# Altium PCB 400389.PcbDoc (part 7 of 8)
Units mm, origin at the board's own origin, x right, y up, seen from the top; angles counter-clockwise.
Board outline 155 x 63.5 mm, 4 copper layers (Top Layer, Mid-Layer 1, Mid-Layer 2, Bottom Layer), stack 1.54 mm thick; 437 components, 325 nets, 2173 pads, 2226 vias.
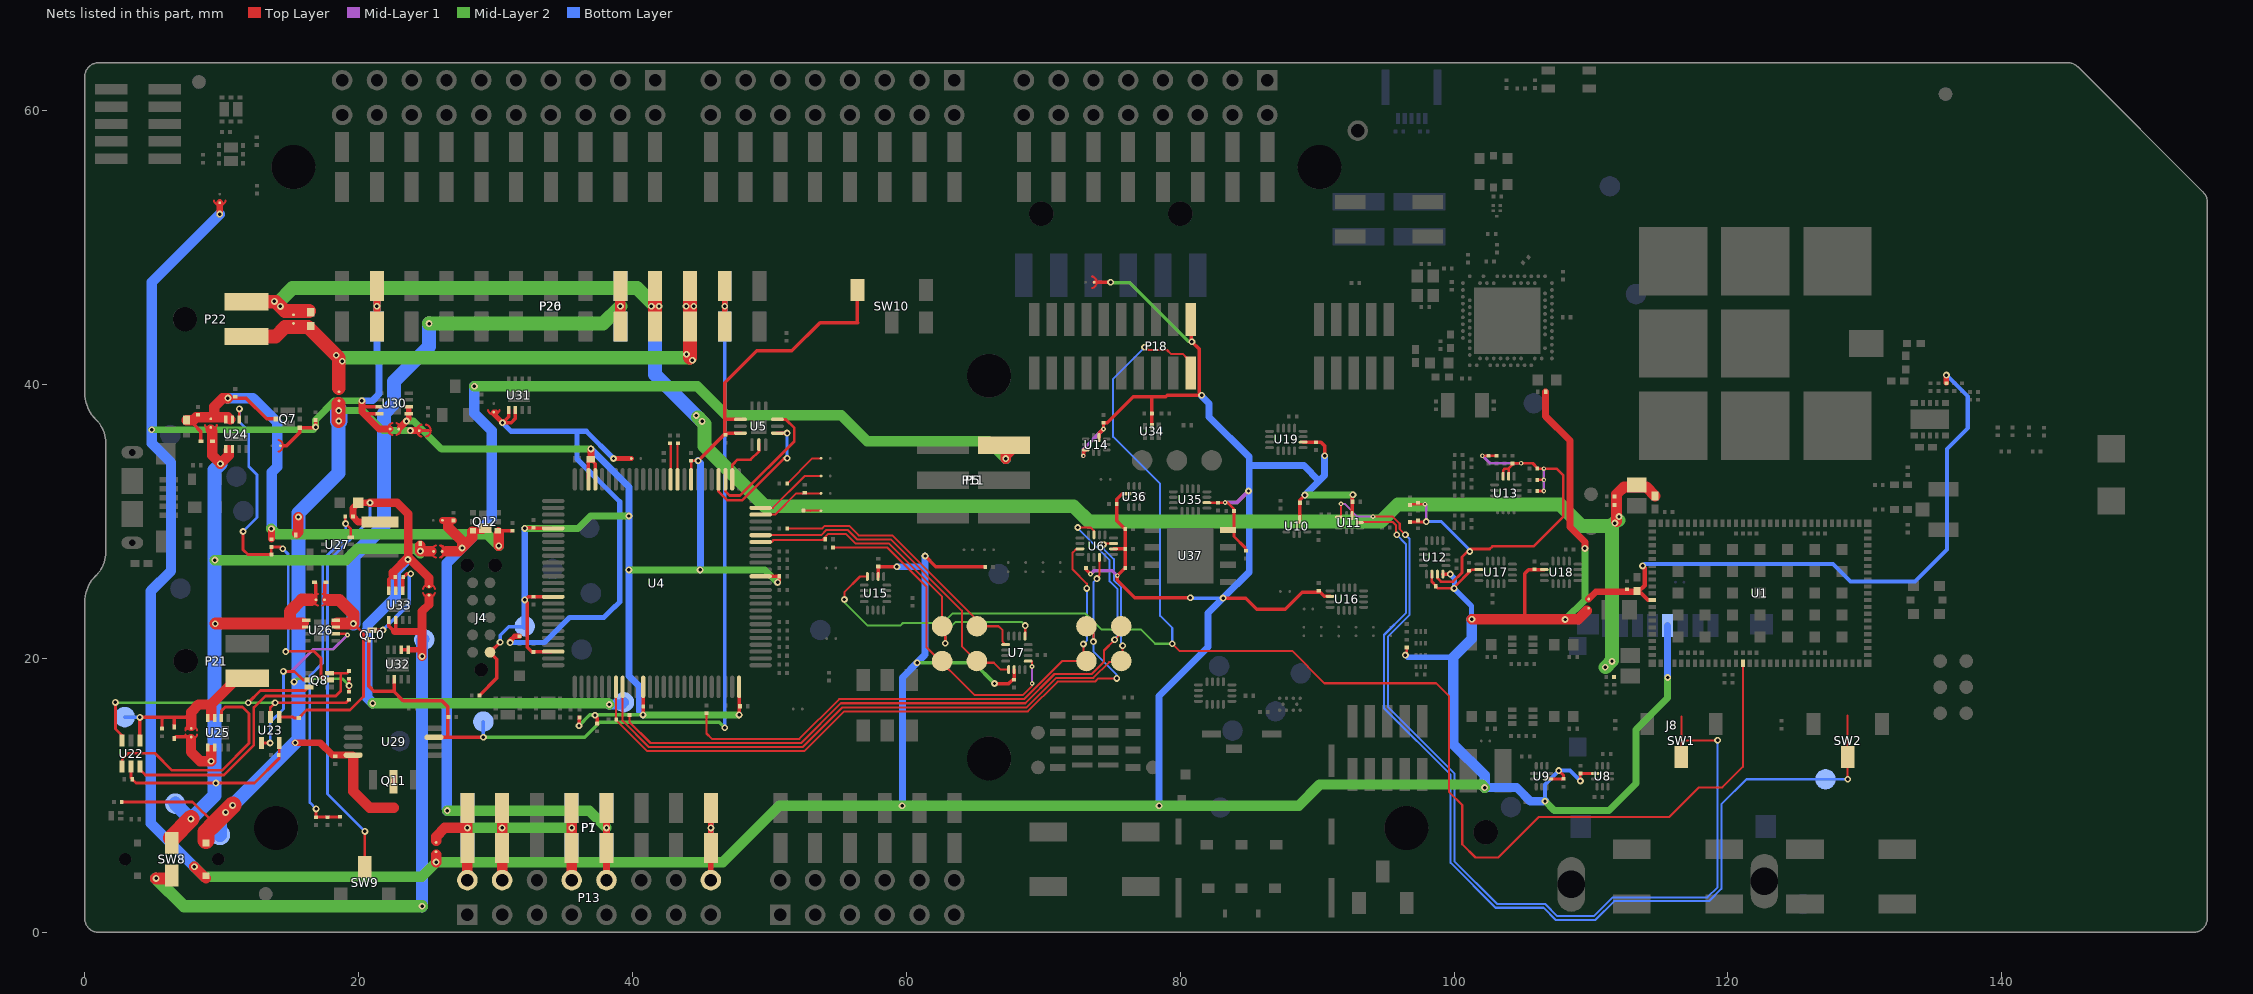
[diagram p9: the nets of this part, all layers, seen from the top]

## Via types
v1: diameter 0.5, hole 0.25, Top Layer to Bottom Layer, tented both sides, 1778 vias
v2: diameter 0.35, hole 0.15, Top Layer to Mid-Layer 1, tented both sides, 369 vias
v3: diameter 0.35, hole 0.15, Top Layer to Mid-Layer 1, tented top, 49 vias
v4: diameter 0.61, hole 0.305, Top Layer to Bottom Layer, tented both sides, 29 vias
v5: diameter 0.5, hole 0.25, Top Layer to Mid-Layer 1, tented both sides, 1 vias

## Nets (pads, with @x,y where several pads share a name; then routed paths per layer and width w, separated by ;. In a path a pad name is that pad's centre, name@x,y a point inside that pad or via, vN(x,y) a via of type N, cw(c..) or ccw(c..) an arc to the next point about the centre after c; other vN are vias at no path point) (continued)
SWDIO: P18.2 U1.34 U15.16 | length 122
  Top Layer w0.15: v1(55.474,24.308) 55.474,24.841 56.614,25.982 U15.16@57.146,25.982 ; v1(77.395,42.723) 77.46,42.723 77.658,42.525 79.036,42.525 79.311,42.25 80.178,42.25 80.453,41.975 80.467,41.975 80.772,41.67 P18.2@80.772,40.85 ; v1(79.418,21.074) 79.941,20.552 88.168,20.552 90.531,18.19 98.694,18.19 99.618,17.265 99.618,10.277 100.594,9.3 100.594,6.43 101.56,5.464 103.213,5.464 106.172,8.423 115.724,8.423 117.887,10.585 119.59,10.585 121.09,12.086 U1.34@121.09,19.644
  Mid-Layer 2 w0.15: v1(55.474,24.308) 55.474,24.093 57.152,22.415 59.579,22.415 59.754,22.59 62.679,22.59 63.362,23.273 73.084,23.273 74.256,22.101 77.145,22.101 78.171,21.074 v1(79.418,21.074)
  Bottom Layer w0.15: v1(77.395,42.723) 75.095,40.422 75.095,36.191 78.533,32.752 78.533,23.118 79.418,22.233 v1(79.418,21.074)
SWITCH1: SW1.2 U11.3 | length 71.7
  Top Layer w0.15: U11.3@91.585,30.321 91.745,30.481 v2(91.745,31.293) ; v2(94.082,30.353) 95.531,30.353 96.033,29.851 96.033,29.444 v1(96.444,29.032) v1(96.444,29.032) ; SW1.2@116.6,12.8 116.6,14.021 ; 116.6,15.761 116.6,14.021 ; v1(119.24,14.021) 116.6,14.021
  Mid-Layer 1 w0.15: v2(91.745,31.293) 91.751,31.286 92.004,31.286 92.93,30.36 94.074,30.36 v2(94.082,30.353)
  Bottom Layer w0.15: v1(96.444,29.032) 96.754,28.722 96.754,23.194 95.157,21.597 95.157,16.474 100.023,11.608 100.023,5.183 103.137,2.07 106.647,2.07 107.542,1.175 110.2,1.175 111.575,2.55 118.501,2.55 119.24,3.289 v1(119.24,14.021)
SWITCH2: SW2.2 TP29.1 U11.9 | length 73.6
  Top Layer w0.15: U11.9@93.123,29.921 93.313,29.921 93.357,29.966 95.529,29.966 95.758,29.737 95.758,29.083 v1(95.809,29.032) ; v1(128.746,11.176) SW2.2@128.746,12.8 128.746,15.831
  Bottom Layer w0.15: v1(95.809,29.032) 95.809,29.031 96.479,28.36 96.479,23.308 94.882,21.711 94.882,16.36 99.748,11.494 99.748,5.07 103.023,1.795 106.533,1.795 107.428,0.9 110.314,0.9 111.689,2.275 118.615,2.275 119.515,3.175 119.515,9.34 121.352,11.177 TP29.1@127.127,11.177 v1(128.746,11.176) v1(128.746,11.176)
SWO: U4.2 U5.8 | length 3.8
  Top Layer w0.203: U4.2@47.283,33.201 47.283,34.123 47.676,34.516 48.625,34.516 49.228,35.119 U5.8@49.228,35.658
SWOSel0: U4.3 U5.12 | length 10.3
  Top Layer w0.203: U4.3@46.783,33.201 U4.3@46.783,33.076 46.783,32.202 47.083,31.902 47.86,31.902 51.816,35.859 51.816,36.831 51.189,37.458 U5.12@50.528,37.458
SWOSel1: U4.4 U5.10 | length 10.2
  Top Layer w0.203: U4.4@46.283,33.201 U4.4@46.283,33.076 46.283,32.203 46.937,31.549 48.006,31.549 51.073,34.616 v1(51.29,34.616)
  Top Layer w0.254: U5.10@50.528,36.458 v1(51.29,36.458)
  Mid-Layer 2 w0.203: v1(51.29,36.458) v1@51.308,36.44
  Bottom Layer w0.203: v1(51.29,34.616) 51.29,36.422 v1@51.308,36.44
USB0_N: R23.2 U4.11 | length 2.7
  Top Layer w0.165: R23.2@42.732,35.71 42.783,35.659 U4.11@42.783,33.076
USB0_P: R22.2 U4.10 | length 2.7
  Top Layer w0.165: U4.10@43.283,33.076 43.283,35.659 R22.2@43.334,35.71
V5V: P1.5 P5.2 P7.5 P11.2 P13.10 Q12.3 R105.2 SB39.1 SB40.2 | length 105.4
  Top Layer w0.15: 26.061,27.383 26.349,27.694 26.388,27.736 26.394,27.799 26.394,27.814 ; 26.061,28.245 26.135,28.218 26.344,27.893 26.395,27.814
  Top Layer w0.508: SB39.1@26.119,30.084 26.936,30.084 R105.2@26.939,30.08 ; Q12.3@28.303,29.334 Q12.3@28.343,29.334 29.073,29.334 Q12.3@29.248,29.509 ; P13.10@38.1,3.811 P1.5@38.1,6.156 P1.5@38.1,9.086
  Top Layer w0.762: 26.394,27.814 26.395,27.814 27.305,27.814 v1(27.559,28.068) ; 26.543,29.947 26.543,29.591 27.559,28.575 v1(27.559,28.068) ; Q12.3@28.303,29.248 28.303,28.812 v1(27.559,28.068) ; P5.2@67.12,35.561 68.009,35.561 67.259,34.812 v1(67.259,34.595)
  Mid-Layer 2 w0.762: v1(26.467,8.89) 36.829,8.89 36.83,8.891 v1(38.1,7.621) ; v1(28.448,39.879) 44.729,39.879 46.839,37.77 55.24,37.77 57.145,35.865 65.989,35.865 v1(67.259,34.595)
  Bottom Layer w0.508: P7.5@38.1,6.156 P7.5@38.1,9.086
  Bottom Layer w0.762: v1(26.467,8.89) 26.467,9.018 26.441,9.043 26.441,26.95 v1(27.559,28.068) 29.718,30.227 29.718,36.627 28.448,37.897 v1(28.448,39.879) ; v1(67.259,34.595) 67.259,35.077 P11.2@67.615,35.433
VBAT_EN: U22.4 U25.6 | length 16.3
  Top Layer w0.203: U22.4@2.728,12.107 2.728,12.611 3.199,13.082 5.105,13.082 6.357,11.83 10.016,11.83 11.996,13.81 11.996,15.97 11.506,16.46 10.262,16.46 9.978,16.177 U25.6@9.978,15.656
VBUS: C70.2 D7.2 FB4.2 Q7.2 Q12.4 R85.2 R89.2 R104.1 SB29.2 U24.7 U24.8 | length 43.4
  Top Layer w0.254: 7.922,37.408 7.922,37.126 8.483,36.565 D7.2@8.483,35.866 ; v1(10.452,39.015) 11.776,39.015 13.3,37.491 ; 13.403,37.491 Q7.2@13.876,37.491 ; Q12.4@30.198,29.334 R104.1@31.227,29.334
  Top Layer w0.508: R89.2@13.623,28.709 v1(13.623,29.471) ; Q12.4@30.193,29.334 Q12.4@30.198,29.329 ; Q12.4@30.198,29.334 Q12.4@30.198,29.329 ; 30.201,29.058 30.201,29.327 Q12.4@30.198,29.329
  Top Layer w0.762: FB4.2@7.43,37.408 7.922,37.408 8.142,37.628 ; 8.142,37.629 8.96,37.629 8.961,37.628 9.012,37.628 9.404,37.628 9.454,37.628 ; v1(10.452,39.015) 10.071,39.015 9.454,38.398 9.454,37.629 9.821,37.629 9.822,37.628 10.456,37.628 10.635,37.449 ; v1@30.234,28.219 30.234,29.058
  Mid-Layer 2 w0.762: v1(13.623,29.471) 14.035,29.059 29.387,29.059 v1(30.226,28.219)
  Bottom Layer w0.508: v1(13.623,29.471) v1@13.655,29.503
  Bottom Layer w0.762: v1(10.452,39.015) 12.285,39.015 14.045,37.255 14.045,34 13.655,33.61 v1@13.655,29.503
VBUS_EN: Q8.2 R89.1 R90.2 U24.6 | length 28.3
  Top Layer w0.203: U24.6@11.286,37.449 11.286,38.224 v1(11.29,38.228) ; v1(11.557,29.272) 11.557,27.941 11.907,27.591 R90.2@13.623,27.591 R89.1@13.623,28.139 14.33,28.139 v1(14.453,28.016) ; v1(14.681,20.498) 14.707,20.523 16.739,20.523 17.247,20.015 17.247,18.684 17.514,18.416 Q8.2@17.863,18.416
  Bottom Layer w0.203: v1(11.29,38.228) 11.29,37.274 11.976,36.589 11.976,34.024 12.586,33.414 12.586,30.301 v1(11.557,29.272) ; v1(14.453,28.016) 14.861,27.607 14.861,20.678 v1(14.681,20.498)
VBUS_EN_INV: Q8.6 R92.1 U22.3 U23.2 | length 26.2
  Top Layer w0.203: v1(2.235,16.79) 2.235,14.859 2.728,14.367 U22.3@2.728,14.007 ; v1(11.938,16.764) 12.835,17.661 16.109,17.661 Q8.6@16.363,17.916 ; U23.2@13.552,15.724 13.552,16.421 v1(13.895,16.764) 19.08,16.764 R92.1@19.304,16.988
  Mid-Layer 2 w0.203: v1(2.235,16.79) 2.262,16.764 v1(11.938,16.764) v1(13.895,16.764)
VCOM0_CTS: R39.1 TP25.1 U4.94 U7.5 | length 27.4
  Top Layer w0.15: U4.94@49.483,28.501 50.147,28.501 50.298,28.652 53.858,28.652 ; R39.1@54.071,28.702 54.021,28.652 53.858,28.652 ; v1(62.84,21.107) 62.84,22.123 TP25.1@62.611,22.352 62.611,24.515 58.725,28.401 56.273,28.401 55.575,29.099 54.304,29.099 53.858,28.652 ; v1@68.672,22.17 U7.5@68.672,21.634 68.682,21.643 v1(68.682,22.403)
  Mid-Layer 2 w0.15: v1(62.84,21.107) 62.84,21.902 63.61,22.673 68.411,22.673 v1(68.682,22.403)
VCOM0_RTS: R38.2 TP24.1 U7.1 | length 23.9
  Top Layer w0.15: R38.2@54.642,28.106 54.642,28.104 55.476,28.104 55.478,28.106 58.603,28.106 61.468,25.241 61.468,20.829 64.979,17.318 68.498,17.318 69.164,17.984 69.19,18.01 v2(69.19,18.161) ; U7.1@68.897,19.809 69.117,19.809 69.164,19.761 v2(69.164,19.406)
  Mid-Layer 1 w0.15: v2(69.164,19.406) 69.19,19.38 v2(69.19,18.161)
VCOM0_RXD: TP27.1 U4.95 U7.13 | length 23.9
  Top Layer w0.15: U4.95@49.483,29.001 53.774,29.001 54.166,29.394 55.697,29.394 56.395,28.696 58.847,28.696 64.059,23.484 64.059,20.905 65.278,19.686 66.387,19.686 66.89,19.184 U7.13@67.472,19.184
VCOM0_TXD: R40.2 TP26.1 U7.9 | length 20.4
  Top Layer w0.15: R40.2@51.292,29.501 53.857,29.501 54.044,29.689 55.82,29.689 56.517,28.991 58.969,28.991 65.278,22.682 TP26.1@65.278,22.352 ; TP26.1@65.151,22.352 TP26.1@65.278,22.352 ; U7.9@67.247,21.009 67.031,21.225 67.031,22.047 66.726,22.352 TP26.1@65.278,22.352
VCOM1_CTS: R42.1 SB4.2 U4.98 | length 4.9
  Top Layer w0.15: U4.98@49.483,30.501 50.409,30.501 51.962,32.054 52.578,32.054 SB4.2@53.769,32.054
VCOM1_RTS: R41.2 SB3.2 | length 1.3
  Top Layer w0.15: R41.2@52.482,30.795 52.996,30.795 ; 53.007,30.784 52.996,30.795 ; SB3.2@53.758,30.795 52.996,30.795
VCOM1_RXD: SB5.2 U4.99 | length 5.2
  Top Layer w0.15: U4.99@49.483,31.001 50.247,31.001 52.57,33.324 SB5.2@53.769,33.324
VCOM1_TXD: R43.2 SB6.2 | length 3.2
  Top Layer w0.15: R43.2@51.292,32.771 53.136,34.615 SB6.2@53.769,34.615
VCOM2_CTS: R19.1 TP23.1 U4.57 U6.11 | length 52.8
  Top Layer w0.15: U4.57@38.783,17.801 38.783,15.651 R19.1@38.853,15.581 ; R19.1@38.817,15.545 38.817,15.487 41.067,13.237 52.555,13.237 55.456,16.138 68.873,16.138 71.048,18.312 73.773,18.312 74.003,18.542 v1(75.362,18.542) ; v1(73.66,21.234) TP23.1@73.66,22.352 ; v1(73.914,25.832) 73.914,25.906 74.102,26.095 U6.11@74.102,27.375
  Bottom Layer w0.15: v1(73.914,25.832) 73.914,25.823 73.66,25.569 v1(73.66,21.234) 73.66,20.523 75.362,18.821 v1(75.362,18.542)
VCOM2_RTS: R24.2 TP22.1 U6.7 | length 41.1
  Top Layer w0.15: R24.2@45.402,15.992 45.402,14.517 45.797,14.122 52.189,14.122 55.09,17.023 68.592,17.023 71.381,19.812 TP22.1@73.152,19.812 ; U6.7@72.677,28 72.443,28 72.353,27.91 72.334,27.91 72.132,27.709 72.132,26.502 73.177,25.457 v1(73.177,25.121) ; v1(72.932,21.057) 72.932,20.54 TP22.1@73.66,19.812
  Bottom Layer w0.15: v1(72.932,21.057) 73.177,21.302 v1(73.177,25.121)
VCOM2_RxD: TP20.1 U4.58 U6.15 | length 51.9
  Top Layer w0.15: U4.58@39.283,17.801 39.283,15.438 41.189,13.532 52.433,13.532 55.334,16.433 68.779,16.433 70.934,18.587 73.659,18.587 74.805,19.732 75.612,19.732 TP20.1@75.692,19.812 ; v1(74.397,28.321) 74.491,28.321 74.571,28.4 U6.15@75.127,28.4 ; TP20.1@75.446,20.058 75.794,20.406 v1(75.794,20.93)
  Bottom Layer w0.15: v1(74.397,28.321) 74.424,28.294 74.424,27.976 75.15,27.25 75.15,25.72 75.68,25.19 75.68,21.138 75.794,21.024 v1(75.794,20.93)
VCOM2_TxD: R21.2 TP21.1 U6.3 | length 52.6
  Top Layer w0.15: R21.2@39.783,15.865 39.783,15.355 41.312,13.827 52.311,13.827 55.212,16.728 68.685,16.728 70.82,18.862 73.546,18.862 74.432,19.748 74.432,20.584 v1(75.209,21.361) TP21.1@76.2,22.352 ; v1(72.517,29.566) 73.457,29.566 73.689,29.333 73.689,29.039 U6.3@73.702,29.025
  Bottom Layer w0.15: v1(72.517,29.566) 72.517,29.494 74.85,27.161 74.85,26.67 74.85,25.631 75.405,25.076 75.405,21.624 75.209,21.428 v1(75.209,21.361)
VDD: C48.1 C49.1 C50.1 C51.1 C52.1 C53.1 C54.2 C60.1 C61.1 C62.1 C63.1 C64.1 C65.1 C81.1 C82.1 C83.1 C84.2 J8.4 P18.1 P20.2 P26.2 Q7.4 R10.1 R44.1 R86.2 R88.1 R106.1 R109.2 R110.2 R111.2 SB1.1 SB24.2 SB25.1 SB28.1 SB35.2 SB36.2 SW8.3 U6.14 U7.14 U8.1 U9.1 U10.1 U11.1 U12.14 U12.16 U14.1 U14.5 U15.14 U16.14 U17.14 U18.14 U19.14 U30.7 U30.8 U34.2 U35.14 U36.1 U37.8 | length 436.1
  Top Layer w0.145: U14.5@72.946,35.169 73.101,35.169 U14.5@73.101,35.221
  Top Layer w0.2: SB25.1@14.295,35.535 14.47,35.535 ; U35.14@81.946,31.372 81.948,31.375 C81.1@82.753,31.375 83.425,31.375 v2@83.412,31.387 ; v2(83.281,31.387) v2@83.412,31.387 ; R111.2@84.8,27.875 84.785,27.875 84.75,27.91 84.75,28.084 83.927,28.906 C84.2@83.927,30.759 83.892,30.794 83.892,30.941 83.446,31.387 v2@83.412,31.387 ; v1(96.444,20.244) 96.545,20.345 R106.1@96.545,20.797 ; U12.14@98.377,26.156 98.377,25.6 C54.2@98.682,25.296 ; C54.2@98.659,25.273 98.812,25.121 v1(100,25.121) 100,25.197 101.288,26.485 U17.14@101.808,26.485
  Top Layer w0.203: U9.1@106.917,11.199 C51.1@107.984,11.199 ; v1(107.645,11.811) 107.984,11.472 C51.1@107.984,11.277 ; v1(109.221,11.053) C50.1@109.221,11.599 ; C50.1@109.221,11.602 C50.1@109.221,11.599 ; U8.1@110.323,11.599 C50.1@109.221,11.599
  Top Layer w0.254: 14.47,35.535 14.732,35.535 15.696,36.499 Q7.4@15.696,36.841 16.804,36.841 v1(16.853,36.891) R88.1@16.853,37.419 ; 20.238,38.005 20.362,37.881 U30.8@21.515,37.881 ; 20.339,38.381 U30.7@21.515,38.381 ; U15.14@57.946,25.982 C61.1@57.946,26.713 57.963,26.695 v1(59.309,26.695) ; v1(61.366,27.483) 62.147,26.702 R86.2@65.755,26.702 ; v1(66.436,18.168) 67.488,18.168 67.772,18.453 C49.1@67.872,18.453 U7.14@67.872,19.184 ; v2(72.923,34.798) 72.94,34.814 72.94,35.06 72.946,35.066 72.946,35.169 72.946,35.206 72.961,35.221 U14.5@73.101,35.221 ; R44.1@73.121,26.619 73.129,26.611 73.129,26.49 v2(73.457,26.162) ; SB28.1@73.718,47.473 73.893,47.473 v1(74.911,47.473) ; U14.1@74.07,36.14 74.07,36.427 v2(74.397,36.754) C60.1@74.397,37.205 74.67,37.205 76.568,39.103 77.927,39.103 ; U6.14@75.127,28 C48.1@75.985,28 ; 75.762,32.026 75.367,31.632 C83.1@75.367,31.293 75.367,30.058 75.94,29.486 75.977,29.486 75.985,29.477 C48.1@75.985,28 ; U34.2@77.927,36.951 77.927,39.103 ; v1(80.747,24.435) 76.681,24.435 75.405,25.711 v2(75.405,26.045) 75.956,26.596 75.977,26.596 75.985,26.604 C48.1@75.985,28 ; P18.1@80.772,44.75 80.81,44.712 80.81,43.167 v1(80.848,43.129) 81.404,42.573 81.404,39.44 ; v1(81.559,39.218) 79.058,39.218 78.943,39.103 77.927,39.103 ; v1(83.134,24.409) 84.772,24.409 85.574,23.607 87.671,23.607 88.905,24.841 90.112,24.841 90.213,24.841 90.516,24.538 U16.14@90.943,24.538 ; U10.1@88.719,30.161 88.719,31.544 89.103,31.928 v1(89.105,31.928) ; U19.14@88.975,35.791 89.905,35.791 C65.1@89.908,35.789 90.279,35.789 90.551,35.517 v1(90.551,34.799) ; U11.1@92.554,30.44 v1@92.554,31.823 ; U12.16@99.177,26.156 v1(99.715,26.156) ; 105.152,22.858 105.152,26.202 105.435,26.485 105.478,26.485 105.483,26.491 105.899,26.491 105.905,26.485 U18.14@106.592,26.485
  Top Layer w0.508: v1(9.855,52.452) 9.855,53.108 SB24.2@9.855,53.283 ; 20.238,38.005 v1@20.238,38.81 ; 20.362,37.881 21.488,36.755 22.119,36.755 SB36.2@22.294,36.755 ; P20.2@21.336,44.256 v1(21.336,45.721) P20.2@21.336,47.186 ; R10.1@106.684,39.477 106.684,37.689 108.455,35.918 108.455,29.594 109.553,28.496 v1(109.553,28.035)
  Top Layer w0.762: v1(8.001,4.784) SW8.3@8.85,3.935 ; v1(25.654,5.124) 25.654,5.653 ; v1@101.295,22.858 105.152,22.858 109.082,22.858 109.698,23.475
  Mid-Layer 1 w0.254: v2(72.923,34.798) 72.923,35.281 v2(74.397,36.754) ; v2(73.457,26.162) 73.701,26.406 75.044,26.406 v2(75.405,26.045)
  Mid-Layer 1 w0.305: v2(83.281,31.387) 84.145,31.387 v1(84.986,32.228)
  Mid-Layer 2 w0.254: v1(60.782,19.686) 64.918,19.686 v1(66.436,18.168) ; v1(74.911,47.473) 74.958,47.426 76.323,47.426 80.573,43.176
  Mid-Layer 2 w0.508: v1(4.888,36.703) 16.665,36.703 v1(16.853,36.891) 16.853,37.428 18.245,38.82 v1(20.238,38.82) ; v1(89.105,31.928) 89.131,31.953 v1(92.608,31.953) ; v1@106.635,9.578 v1(106.638,9.575) 107.314,8.9 111.308,8.9 113.285,10.876 113.285,14.793 115.6,17.109 v1(115.6,18.611) ; v1(108.11,22.842) 109.553,24.284 v1(109.553,28.035)
  Mid-Layer 2 w0.762: v1(8.001,4.784) 8.72,4.065 24.595,4.065 v1(25.654,5.124) 46.602,5.124 50.724,9.246 v1(59.69,9.246) v1(78.461,9.246) 88.646,9.246 90.195,10.795 102.008,10.795 v1(102.233,10.57)
  Bottom Layer w0.254: v1(80.747,24.435) 80.747,24.46 80.797,24.409 v1(83.134,24.409)
  Bottom Layer w0.3: v1(106.638,9.575) 106.638,10.804 v1(107.645,11.811) 108.463,11.811 v1(109.221,11.053)
  Bottom Layer w0.381: v1(96.444,20.244) 96.596,20.091 99.949,20.091 ; v1(99.715,26.156) 100.037,25.834 v1@100.037,25.158 ; v1(100,25.121) 101.281,23.839 v1@101.281,22.86
  Bottom Layer w0.508: v1(20.238,38.82) 21.003,38.82 21.488,39.305 21.488,41.758 21.336,41.91 P26.2@21.336,44.256 v1(21.336,45.721) P26.2@21.336,47.186 ; v1(59.309,26.695) 61.366,26.695 ; v1@59.715,9.246 59.715,18.619 v1(60.782,19.686) 61.366,20.27 61.366,26.695 ; v1(61.366,27.483) 61.366,26.695 ; v1(78.461,9.246) 78.461,17.247 82.042,20.828 82.042,23.317 v1(83.134,24.409) 85.039,26.314 85.039,34.087 ; v1(81.559,39.218) 81.559,39.167 82.093,38.634 82.093,37.643 85.039,34.696 85.039,34.087 ; v1(89.105,31.928) 89.105,31.93 90.145,32.969 ; v1(90.551,34.799) 90.551,33.376 90.145,32.969 ; v1(115.6,18.611) J8.4@115.6,22.42 ; 85.039,34.087 89.026,34.087 90.145,32.969
  Bottom Layer w0.635: v1(102.233,10.57) 104.567,10.57 105.562,9.575 v1(106.638,9.575)
  Bottom Layer w0.762: v1(8.001,4.784) 4.826,7.959 4.826,24.926 6.298,26.398 6.298,34.302 4.888,35.712 v1(4.888,36.703) 4.888,47.485 v1(9.855,52.452) ; v1@101.281,22.86 101.281,21.424 99.949,20.091 99.949,13.741 102.233,11.457 v1(102.233,10.57)
  other v1: 101.295,22.86
VDD_GPIO: C4.1 C5.1 R6.2 SB1.2 U1.12 | length 45.7
  Top Layer w0.3: C5.1@113.347,24.926 113.515,24.926 113.925,25.336 113.925,26.602 v1(113.769,26.758)
  Top Layer w0.305: C5.1@113.347,24.786 113.636,24.786 114.158,24.264 U1.12@114.47,24.264
  Top Layer w0.381: R6.2@135.95,40.107 v1(135.95,40.697)
  Top Layer w0.5: SB1.2@109.824,24.341 110.354,24.871 113.291,24.871 C5.1@113.347,24.926
  Bottom Layer w0.3: v1(113.769,26.758) 113.911,26.9 127.675,26.9 128.946,25.629 133.655,25.629 135.992,27.965 135.992,35.306 137.516,36.83 137.516,39.131 v1(135.95,40.697)
VDD_IMCU: C37.1 C38.2 C39.2 C40.1 C41.2 C42.2 C43.2 C44.2 C45.1 J4.1 R20.1 R25.2 R83.2 SB36.1 SW10.3 TP15.1 U4.8 U4.22 U4.23 U4.30 U4.40 U4.48 U4.61 U4.75 U4.89 U5.4 U5.6 U30.1 U30.2 | length 135.6
  Top Layer w0.203: C37.1@36.783,34.379 C37.1@36.949,34.545 C37.1@37.054,34.44 ; U4.8@44.283,33.201 C44.2@44.283,34.44 v1(44.791,34.44)
  Top Layer w0.254: R25.2@28.832,17.304 30.099,18.571 30.099,19.94 J4.1@29.591,20.448 v1(30.327,21.184) ; v1(32.129,29.501) 32.162,29.534 C38.2@32.766,29.534 32.799,29.501 U4.30@34.083,29.501 ; C40.1@32.766,20.466 32.666,20.466 32.319,20.814 32.319,24.085 v1(32.131,24.273) 32.374,24.516 C39.2@32.766,24.516 32.781,24.501 U4.40@34.083,24.501 ; C40.1@32.815,20.501 U4.48@34.083,20.501 ; v1(36.093,15.088) 36.119,15.113 R20.1@36.119,15.692 ; U4.23@36.783,33.201 C37.1@36.783,34.379 ; C37.1@37.054,34.44 37.283,34.211 U4.22@37.283,33.201 ; v1(37.262,15.85) 37.262,15.783 37.414,15.631 R83.2@37.414,15.246 ; v1(40.767,15.876) 40.787,15.896 C41.2@40.787,16.484 40.783,16.488 U4.61@40.783,17.801 ; v1(44.791,34.44) 46.68,36.329 C45.1@46.787,36.329 ; C45.1@46.736,36.387 46.736,37.465 ; C45.1@46.84,36.458 U5.6@47.878,36.458 U5.6@47.928,36.458 ; v1(47.783,15.876) U4.75@47.783,17.801 ; U5.4@47.928,37.458 U5.4@47.878,37.458 46.743,37.458 46.736,37.465 ; U4.89@49.483,26.001 C43.2@50.722,26.001 v1@50.722,25.579 ; SW10.3@56.089,46.92 SW10.3@56.428,46.92 56.428,44.537 56.439,44.526 53.696,44.526 51.638,42.469 49.073,42.469 46.736,40.132 46.736,37.465
  Top Layer w0.381: v1(23.495,37.331) 23.665,37.501 U30.1@23.665,37.881 U30.2@23.665,38.304
  Top Layer w0.508: 23.067,36.904 v1(23.495,37.331) ; C37.1@36.949,34.545 36.957,34.553 v1(36.957,35.307)
  Mid-Layer 2 w0.254: v1(36.093,15.088) 36.882,15.876 v1(40.767,15.876)
  Mid-Layer 2 w0.508: v1(23.495,37.331) 24.01,37.331 26.034,35.307 v1(36.957,35.307) ; v1(32.129,29.501) 36.029,29.501 36.932,30.404 v1(39.732,30.404) ; v1(39.732,26.467) v1(44.933,26.467) 49.682,26.467 v1(50.595,25.553) ; v1(40.767,15.876) v1(47.783,15.876)
  Bottom Layer w0.254: v1(30.327,21.184) 30.327,21.691 30.96,22.324 TP15.1@32.1,22.324
  Bottom Layer w0.508: TP15.1@32.1,22.324 TP15.1@32.129,22.353 v1(32.129,29.501) ; v1(36.957,35.307) 39.732,32.532 v1(39.732,30.404) v1(39.732,26.467) 39.732,18.728 40.524,17.936 40.524,16.119 v1(40.767,15.876) ; v1(44.791,34.44) 44.958,34.273 44.958,26.492 v1(44.933,26.467)
VDD_IMCU_3V3: R18.2 SB7.2 SB37.2 U31.1 U31.2 | length 38.4
  Top Layer w0.254: U31.1@30.949,38.144 30.949,37.656 v1(30.505,37.212) 31.14,37.212 31.449,37.521 U31.2@31.449,38.144
  Top Layer w0.381: 30.019,37.992 SB37.2@29.87,37.992 29.87,37.847 29.899,37.818 v1(30.505,37.212) ; v1(31.061,21.158) 31.061,21.285 31.396,21.621 R18.2@31.75,21.621 ; v1(38.609,34.6) SB7.2@39.919,34.6
  Bottom Layer w0.381: v1(30.505,37.212) 31.125,36.592 35.941,36.592 ; v1(31.061,21.158) 33.579,21.158 35.408,22.987 37.897,22.987 38.684,23.774 38.71,23.774 39.065,24.13 39.065,31.445 35.941,34.569 35.941,36.592 ; v1(38.609,34.6) 36.617,36.592 35.941,36.592
VDD_nRF: C1.1 C2.1 C3.1 FB1.1 P20.10 P22.1 P26.10 R3.1 R97.1 SB34.1 | length 136.1
  Top Layer w0.8: v1@111.874,29.993 111.874,31.991 112.395,32.512 114.038,32.512 FB1.1@114.681,31.869
  Top Layer w1.016: P22.1@11.811,46.049 13.946,46.049 v1(14.288,45.707) 14.63,45.364 R97.1@16.383,45.364 ; P20.10@41.656,44.256 P20.10@41.656,47.186